# Altium PCB H-00491.PcbDoc (part 1 of 2)
Units mm, origin at the board's own origin, x right, y up, seen from the top; angles counter-clockwise.
Board outline 159.99 x 100 mm, 2 copper layers (Top Layer, Bottom Layer), stack 1.536 mm thick; 33 components, 33 nets, 2018 pads, 77 vias.
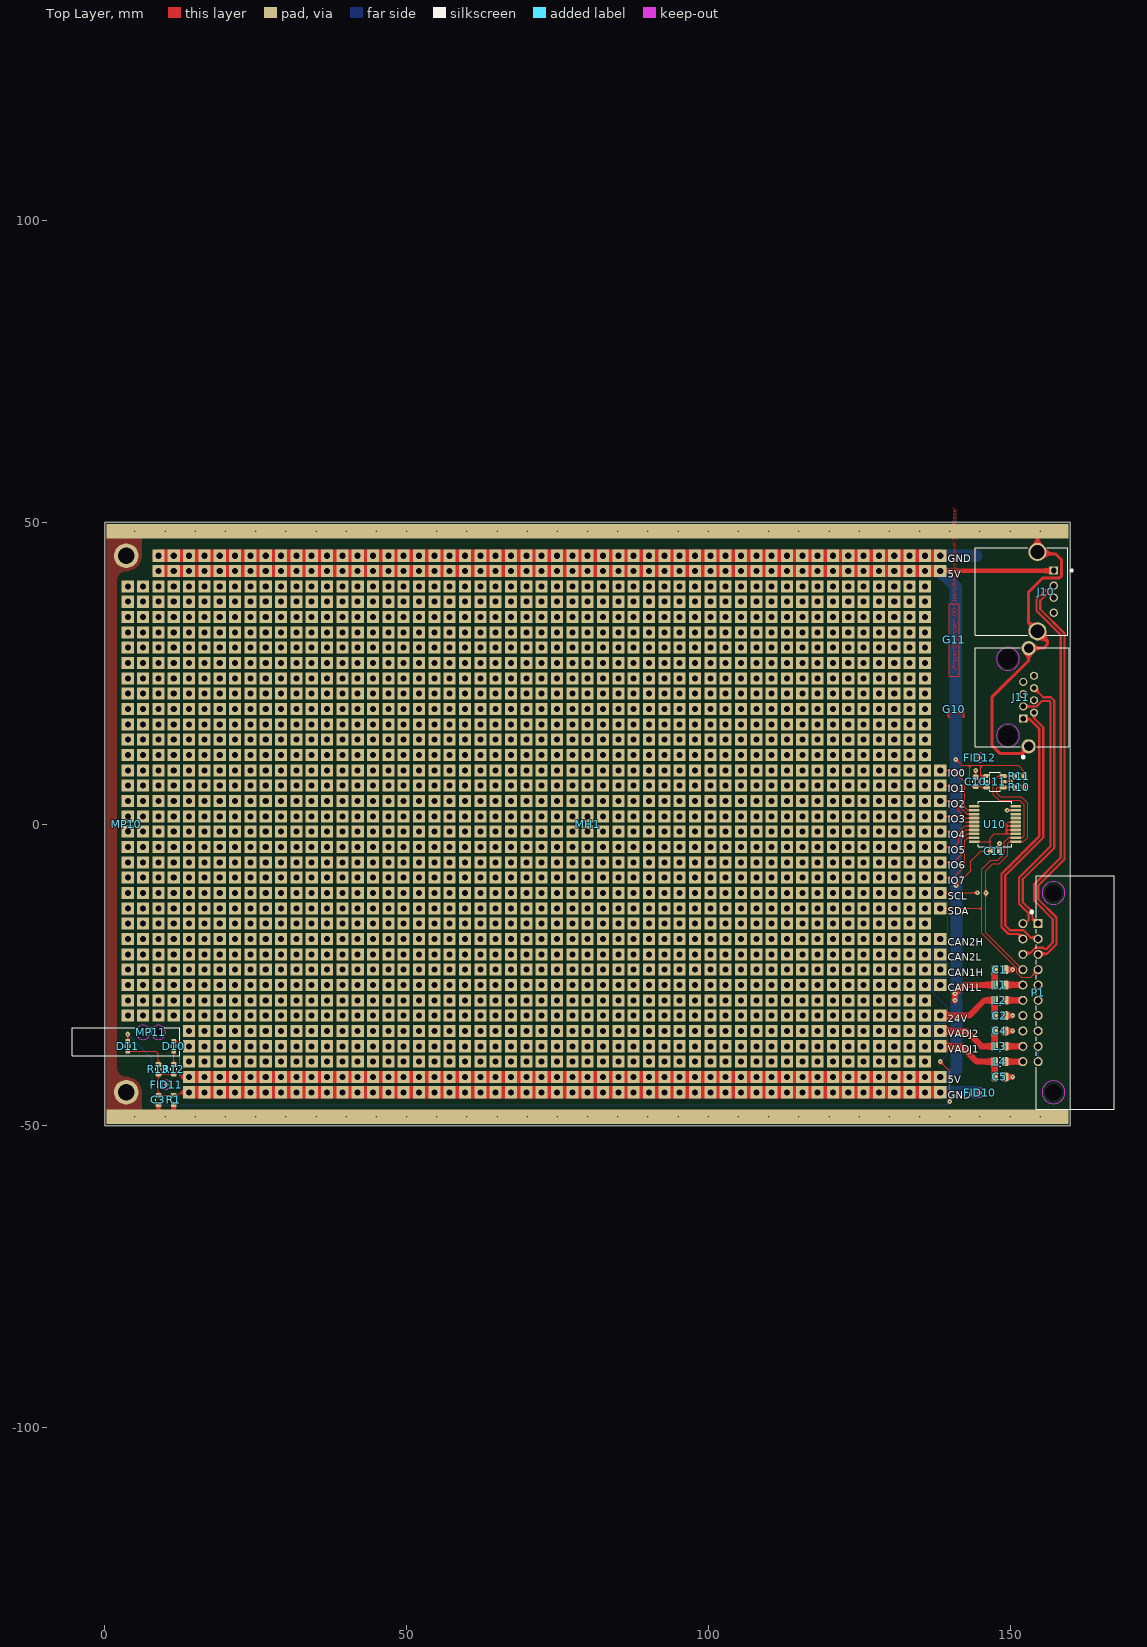
[diagram p0: Top Layer view]
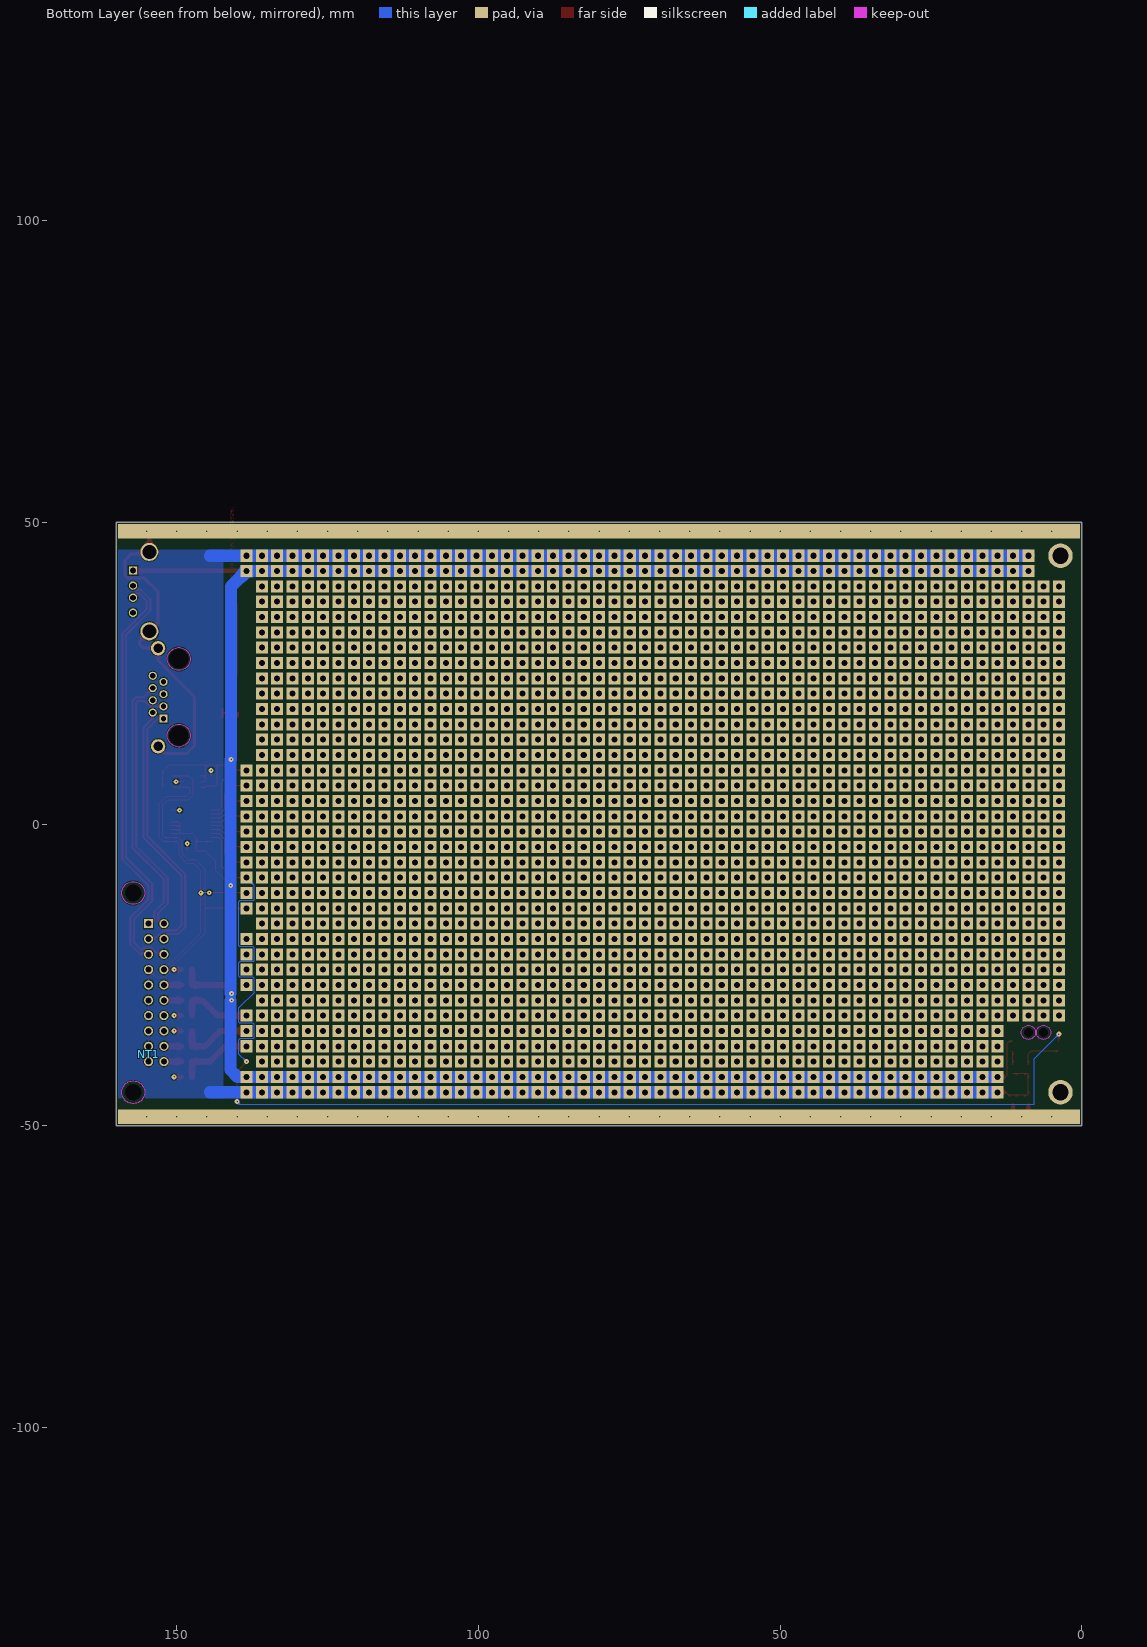
[diagram p1: Bottom Layer view, seen from below]
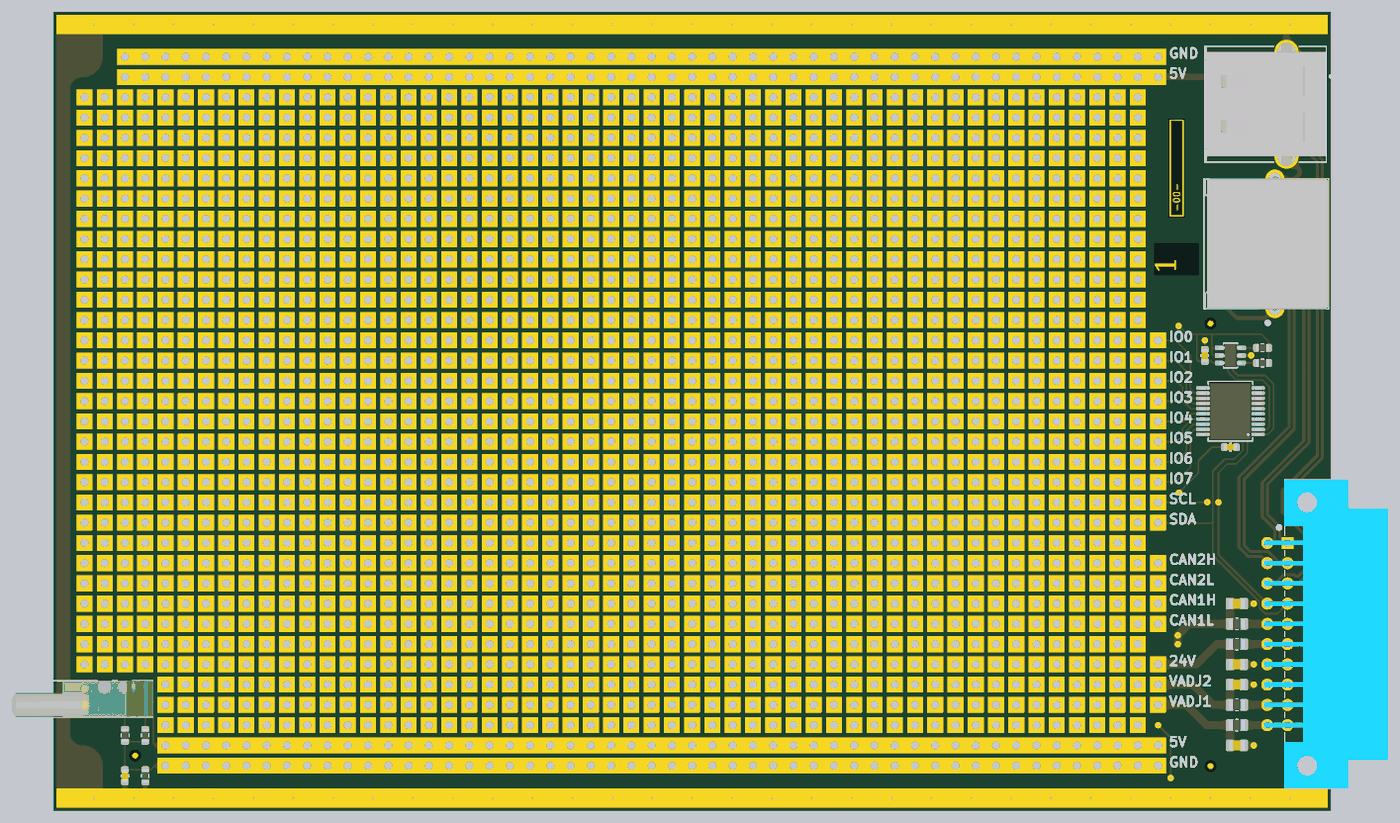
[diagram p3: 3D render of the assembled board from above, using the file's embedded part models]

## Layer stack, top to bottom
Top Solder: solder mask 0.01, Solder Resist, Dk 3.5
Top Layer: signal copper 0.018
Dielectric 3: core 1.5, FR-4, Dk 4.2
Bottom Layer: signal copper 0.018
Bottom Solder: solder mask 0.01, Solder Resist, Dk 3.5

## Board outline
0.005,-50 160,-50 160,50 0.005,50

## Design rules (kind name [scope] priority, off if disabled: settings)
BoardOutlineClearance [Not OnSilkscreen] p1: gap=0.25 ignorepadtopadclearanceinfootprint=FALSE except(0: Arc-SplitContinuation Track-SplitContinuation SMDPad-SplitContinuation THPad-SplitContinuation Via-SplitContinuation Fill-SplitContinuation Poly-SplitContinuation Region-SplitContinuation Text-SplitContinuation)
Clearance Clearance-xPP-xTP-xTT [All] p1: gap=0.15 ignorepadtopadclearanceinfootprint=FALSE except(0: Arc-Hole Track-Hole SMDPad-Hole THPad-Hole Via-Hole Fill-Hole Poly-Hole Region-Hole Text-Hole)
ComponentClearance [Not (HasFootprint('TITLEBLOCK*') OR HasFootprint('EUROCARD*') OR HasFootprint('DIALIGHT-515*')) vs Not (HasFootprint('TITLEBLOCK*') OR HasFootprint('EUROCARD*') OR HasFootprint('DIALIGHT-515*'))] p1: gap=0.25 collisioncheckmode=3 verticalgap=0.25 showdistances=FALSE
DiffPairsRouting [All] p1: maxlimit=0.25 minlimit=0.25 mostfreqgap=0.25 toplayer_minwidth=0.381 toplayer_maxwidth=0.381 toplayer_prefwidth=0.381 bottomlayer_minwidth=0.381 bottomlayer_maxwidth=0.381 bottomlayer_prefwidth=0.381 maxuncoupledlength=12.5
Height [All] p1: minheight=0 maxheight=25 prefheight=12.5
HoleSize HoleSize-PTH [All] p1: absolutevalues=TRUE maxlimit=4 minlimit=0.25 maxpercent=80.000 minpercent=20.000
HoleToHoleClearance HoleToHoleClearance_NPTH [Not PadIsPlated vs Not PadIsPlated] p1: gap=0.2 allowstackedmicrovias=TRUE
HoleToHoleClearance [All] p2: gap=0.35 allowstackedmicrovias=TRUE
MinimumAnnularRing "Minimum IAR <=0.45mm" [((ObjectKind = 'Pad') OR (ObjectKind = 'Via')) And (Layer = 'MultiLayer') And (HoleDiameter <= AsMM(0.45))] p1: minimumring=0.174 // minimum inner annular ring for pads <= 0.45mm finished hole size
MinimumSolderMaskSliver [All] p1: minsoldermaskwidth=0.08
PlaneClearance PlaneClearance-IPI [All] p1: clearance=0.25
PlaneConnect [All] p1: planeconnectstyle=Relief reliefexpansion=0.175 reliefentries=4 reliefconductorwidth=0.2 reliefairgap=0.2
PolygonConnect [InNet('GNDC')] p1: connectstyle=Direct reliefconductorwidth=0.254 reliefentries=4 polygonreliefangle="90 Angle" airgapwidth=0.254
PolygonConnect PolygonConnect-xTW [All] p2: connectstyle=Relief reliefconductorwidth=0.2 reliefentries=4 polygonreliefangle="90 Angle" airgapwidth=0.2
RoutingCorners [All] p1: cornerstyle=45-Degree minsetback=2.5 maxsetback=2.5
RoutingVias "RoutingVias > 0.45mm" [(ObjectKind = 'Via') And (HoleDiameter > AsMM(0.45))] p1: holewidth=0.5 width=0.85 viastyle="Through Hole" minholewidth=0.5 minwidth=0.85 maxholewidth=0.9 maxwidth=1.25 // finishet hole size > 0.45mm
RoutingVias "RoutingVias <= 0.45mm" [(ObjectKind = 'Via') And (HoleDiameter <= AsMM(0.45))] p2: holewidth=0.3 width=0.65 viastyle="Through Hole" minholewidth=0.25 minwidth=0.6 maxholewidth=0.45 maxwidth=0.8 // finishet hole size <= 0.45mm
SilkToSilkClearance [All] p1: silktosilkclearance=0.2
SilkToSolderMaskClearance SilkscreenOverComponentPads [IsPad] p1 off: minsilkscreentomaskgap=0.2 clearancetoexposedcopper=TRUE
SolderMaskExpansion [All] p1: expansion=0 istentingtop=FALSE
UnRoutedNet [All] p1: checkbadconnections=TRUE
Width Width-xTW [All] p1: maxlimit=2 minlimit=0.15 preferedwidth=0.2
18 further rules are at their usual default settings.

## Classes and differential pairs
differential pair class DIFF_USB: CANA CANB USB_D
differential pair class DIFF_LAN: LAN_RX LAN_TX
component class CONNECTOR: C1 C2 C3 C4 C5 L1 L2 L3 L4 MH1 NT1 P1 R1
component class "H-00491 - Top": C10 C11 D10 D11 FID10 FID11 FID12 G10 G11 J10 J11 MP10 MP11 PCB10 R10 R11 R12 R13 U10 U11
differential pair CANB: +CANB_P -CANB_N
differential pair CANA: +CANA_P -CANA_N
differential pair USB_D: +USB_D_P -USB_D_N
differential pair LAN_TX: +LAN_TX_P -LAN_TX_N
differential pair LAN_RX: +LAN_RX_P -LAN_RX_N

## Components (designator, comment, footprint, x,y, rotation, side; value= is the part's Value field where it differs from the comment)
C1 "C0805C474K5RACTU" CAPC200X125X110L50N 148.31,-24.13 r180 top value=470nF
C2 "C0805C474K5RACTU" CAPC200X125X110L50N 148.31,-31.75 r180 top value=470nF
C3 "C0603W102KDRACAUTO" CAPC160X80X87L35N 8.89,-45.72 r90 top value=1nF
C4 "C0805C474K5RACTU" CAPC200X125X110L50N 148.31,-34.29 r180 top value=470nF
C5 "C0805C474K5RACTU" CAPC200X125X110L50N 148.31,-41.91 r180 top value=470nF
C10 "C0603C104K5RACTU" CAPC160X80X87L35N 144.3,7 r90 top value=100nF
C11 "C0603C104K5RACTU" CAPC160X80X87L35N 147.5,-4.5 r0 top value=100nF
D10 "SML-E12M8W" LEDC170X80X80L20_YELLOW 11.43,-36.83 r90 top
D11 "SML-E12M8W" LEDC170X80X80L20_YELLOW 3.812,-36.822 r90 top
FID10 "FIDUCIAL" FIDUCIAL_075X150 145,-44.5 r90 top
FID11 "FIDUCIAL" FIDUCIAL_075X150 10.16,-43.18 r90 top
FID12 "FIDUCIAL" FIDUCIAL_075X150 145,11 r90 top
G10 "LOGO-HIBER" HIBER_LOGO_COPPER_55x40 140.75,19.05 r90 top
G11 "HIBER-PARTNUMBER" HIBER_PNSN_COPPER 140.75,30.5 r90 top
J10 "67643-3910" MOLEX_676433910 151.25,38.5 r270 top
J11 "RJHSE5E80" AMPHENOLICC_RJHSE5E80 152,21 r90 top
L1 "BLM21SP700SH1D" BEADC200X125X105L50N 148.31,-26.67 r0 top
L2 "BLM21SP700SH1D" BEADC200X125X105L50N 148.31,-29.21 r0 top
L3 "BLM21SP700SH1D" BEADC200X125X105L50N 148.31,-36.83 r0 top
L4 "BLM21SP700SH1D" BEADC200X125X105L50N 148.31,-39.37 r0 top
MH1 "EUROCARD_160X100" EUROCARD_100X160 0,0 r0 top locked
MP10 "20817-443" SCHROFF_20817443 -5.89,0 r0 top locked
MP11 "5151094F" DIALIGHT_5151094F 3.81,-36.07 r0 top
NT1 "NET-TIE" NT200 154.66,-38.147 r270 bottom net-tie
P1 "09241206921" HARTING_09241206921 160.8,-27.94 r270 top locked
PCB10 "TITLE-BLOCK" TITLEBLOCK-A4 -30,-125 r0 top locked
R1 "TNPW060310K0BEEA" RESC160X85X55L30N 11.43,-45.72 r270 top value=10k
R10 "CRCW06034K70FKEA" RESC160X85X55L30N 151.531,6.05 r180 top value=4,7k
R11 "CRCW06034K70FKEA" RESC160X85X55L30N 151.531,7.95 r180 top value=4,7k
R12 "CRCW06034K70FKEA" RESC160X85X55L30N 11.43,-40.64 r270 top value=4,7k
R13 "CRCW06034K70FKEA" RESC160X85X55L30N 8.89,-40.64 r270 top value=4,7k
U10 "MCP23008-E/SS" SOP20P65_720X780X200L75X30N 147.5,0 r90 top locked
U11 "24AA025E64T-I/OT" SOT23-6P95_270X145L35X35 147.5,7 r90 top

## Footprints (in the part's own frame and the unit in brackets; to place one, negate y for a bottom-side part, rotate by r counter-clockwise, add the part's x,y. Pads: shape width x height; smd on the part's side, far side on the other; paste and mask are expansions set on the pad)
AMPHENOLICC_RJHSE5E80 [mm] "Connector, RJ45 Right Angle; 10 pin, 16.41 mm L X 15.615 mm W X 13.841 mm H body (Amphenol ICC - RJHSE5E80)"
  rect 1.34x1.34 / inner round 1.34 / far side rect 1.34x1.34 hole 0.89 paste-1.34: 1(-3.55,-0.185)
  round 1.34 hole 0.89 paste-1.34: 2(-2.53,-1.965) 3(-1.52,-0.185) 4(-0.5,-1.965) 5(0.51,-0.185) 6(1.53,-1.965) 7(2.54,-0.185) 8(3.56,-1.965)
  round 2.36 hole 1.57 paste-2.36: M1(-8.13,-1.075) M2(8.13,-1.075)
  round 1 hole 3.25 unplated paste-1 mask+1.125: M3(-6.35,2.355) M4(6.35,2.355)
  Keep-Out Layer circle w0.025: c6.35,2.355 r1.9
  Keep-Out Layer circle w0.025: c-6.35,2.355 r1.9
  silkscreen extent -10.12,-7.81 8.21,7.81, body extent -8.41,-7.94 8.42,7.81, height 13.47
BEADC200X125X105L50N [mm] "Ferrite Bead, Chip; 2.00 mm L X 1.25 mm W X 1.05 mm H body"
  rrect46% 1.09x1.47 smd: 1(-0.865,0) 2(0.865,0)
  silkscreen extent -0.14,-0.73 0.14,0.73, body extent -1,-0.63 1,0.63, height 1.05
CAPC160X80X87L35N [mm] "Capacitor, Chip; 1.60 mm L X 0.80 mm W X 0.87 mm H body (Kemet - Inch 0603, Metric 1608, CF)"
  rrect51% 0.87x0.97 smd: 1(-0.75,0) 2(0.75,0)
  silkscreen extent -0.14,-0.48 0.14,0.48, body extent -0.8,-0.4 0.8,0.4, height 0.87
CAPC200X125X110L50N [mm] "Capacitor, Chip; 2.00 mm L X 1.25 mm W X 1.10 mm H body (Kemet - Inch 0805, Metric 2012, DE)"
  rrect45% 1.11x1.47 smd: 1(-0.85,0) 2(0.85,0)
  body extent -1,-0.63 1,0.63, height 1.1
DIALIGHT_5151094F [mm] "Module; 0 pin, 17.78 mm L X 4.57 mm W X 9.14 mm H body (Dialight - )"
  round 0.75 hole 1.5 unplated paste-0.75 mask+0.375: 1(2.54,1.53) 2(5.08,1.53)
  Keep-Out Layer circle w0.025: c5.08,1.53 r1.175
  Keep-Out Layer circle w0.025: c2.54,1.53 r1.175
  silkscreen extent -9.2,-2.29 8.58,2.29, body extent -9.14,-2.29 8.64,2.29, height 9.16
EUROCARD_100X160 [mm]
  rect 159.4x2.4 / inner rect 159x2 / far side rect 159.4x2.4 hole 0.25: 1(80,48.5) 2(80,-48.5)
FIDUCIAL_075X150 [mm] "Fiducial, Global; 0.75mm x 1.50mm ( - )"
  round 0.75 smd paste-0.75 mask+0.375: 1(0,0)
  Top Layer keep-out circle w0.025: c0,0 r0.75
HARTING_09241206921 [mm] "Connector, Right Angle Plug; 20 pin, 38.70 mm L X 13.00 mm W X 8.65 mm H body (Harting - 9021646921)"
  rect 1.5x1.5 / inner round 1.5 / far side rect 1.5x1.5 hole 1 paste-1.5: A1(-11.43,-6.14)
  round 1.5 hole 1 paste-1.5: A2(-8.89,-6.14) A3(-6.35,-6.14) A4(-3.81,-6.14) A5(-1.27,-6.14) A6(1.27,-6.14) A7(3.81,-6.14) A8(6.35,-6.14) A9(8.89,-6.14) A10(11.43,-6.14) B1(-11.43,-8.68) B2(-8.89,-8.68) B3(-6.35,-8.68) B4(-3.81,-8.68) B5(-1.27,-8.68) B6(1.27,-8.68) B7(3.81,-8.68) B8(6.35,-8.68) B9(8.89,-8.68) B10(11.43,-8.68)
  round 1 hole 2.8 unplated paste-1 mask+0.9: M1(-16.51,-3.6) M2(16.51,-3.6)
  Keep-Out Layer circle w0.025: c-16.51,-3.6 r1.89
  Keep-Out Layer circle w0.025: c16.51,-3.6 r1.89
  silkscreen extent -19.35,-7.4 19.35,6.5, body extent -19.35,-9.06 19.35,6.42, height 6.86
HIBER_LOGO_COPPER_55x40 [mm] "Hiber Logo, Inverted, Copper, 5.5 x 4.0 mm"
  Top Layer pour cut-out: -2.159,2.921 2.159,2.921 2.159,-2.921 -2.159,-2.921
HIBER_PNSN_COPPER [mm] "Hiber PNSN, Copper Layer"
  Top Layer pour cut-out: -5.9,0.7 5.9,0.7 5.9,-0.7 -5.9,-0.7
  Top Layer lines w0.15: -6,0.8 -6,-0.8 6,-0.8 6,0.8 -6,0.8
LEDC170X80X80L20_YELLOW [mm] "LED, Chip; 1.70 mm L X 0.80 mm W X 0.80 mm H body"
  rrect50% 0.8x0.8 smd: A(0.825,0) C(-0.825,0)
  silkscreen extent -0.25,-0.43 0.25,0.43, body extent -0.8,-0.4 0.8,0.4, height 0.6
MOLEX_676433910 [mm] "Connector, USB Receptacle Right Angle; 4 pin, 14.50 mm L X 14.00 mm W X 8.25 mm H body (Molex - 676433910)"
  rect 1.38x1.38 / inner round 1.38 / far side rect 1.38x1.38 hole 0.92 paste-1.38: 1(-3.5,5.99)
  round 1.38 hole 0.92 paste-1.38: 2(-1,5.99) 3(1,5.99) 4(3.5,5.99)
  round 3 hole 2.3: M1(-6.57,3.28) M2(6.57,3.28)
  silkscreen extent -7.25,-7 7.25,9.13, body extent -8,-7 8,8.26, height 7.74
NT200 [mm]
  round 0.2 smd paste-1 mask+0.102: 1(-0.2,0) 2(0.2,0)
  Top Layer region: -0.2,0.1 0.2,0.1 0.2,-0.1 -0.2,-0.1
RESC160X85X55L30N [mm] "Resistor, Chip; 1.60 mm L X 0.85 mm W X 0.55 mm H body (Panasonic - Inch 0603, Metric 1608)"
  rrect51% 0.82x0.98 smd: 1(-0.775,0) 2(0.775,0)
  silkscreen extent -0.19,-0.48 0.19,0.48, body extent -0.8,-0.43 0.8,0.43, height 0.55
SCHROFF_20817443 [mm] "Module; 2 pin, 26.00 mm L X 128.40 mm W X 20.00 mm H body (SCHROFF - )"
  round 4.05 hole 2.7 paste-4.05: M1(9.45,44.45) M2(9.45,-44.45)
  body extent -13.16,-64.2 13.15,64.2, height 16.17
SOP20P65_720X780X200L75X30N [mm] "Small Outline Pkg (SOP), 0.65 mm pitch; 20 pin, 7.20 mm L X 5.30 mm W X 2.00 mm H body (Microchip - C04-072)"
  rrect52% 0.46x1.7 smd: 1(-2.925,-3.455) 2(-2.275,-3.455) 3(-1.625,-3.455) 4(-0.975,-3.455) 5(-0.325,-3.455) 6(0.325,-3.455) 7(0.975,-3.455) 8(1.625,-3.455) 9(2.275,-3.455) 10(2.925,-3.455) 11(2.925,3.455) 12(2.275,3.455) 13(1.625,3.455) 14(0.975,3.455) 15(0.325,3.455) 16(-0.325,3.455) 17(-0.975,3.455) 18(-1.625,3.455) 19(-2.275,3.455) 20(-2.925,3.455)
  silkscreen extent -3.75,-2.8 3.75,2.8, body extent -3.6,-3.9 3.6,3.9, height 2
SOT23-6P95_270X145L35X35 [mm] "Small Outline Transistor (SOT23), 0.95 mm pitch; 6 pin, 2.90 mm L X 1.55 mm W X 1.45 mm H body (Microchip - SOT23-6)"
  rrect50% 0.6x1.1 smd: 1(-0.95,-1.4) 2(0,-1.4) 3(0.95,-1.4) 4(0.95,1.4) 5(0,1.4) 6(-0.95,1.4)
  silkscreen extent -1.55,-0.9 1.55,0.9, body extent -1.45,-1.35 1.45,1.35, height 1.45
TITLEBLOCK-A4 [mm]

## Part data
C1 C2 C4 C5: library part CMP-00607-1, "CAP Standard 0805 (2012) 470,0nF 50V X7R (Standard)", Case/Package="0805 (2012)", Dielectric=X7R, Rated Voltage=50V, Tolerance=10%, Failure Rate=N/A, Mount="Surface Mount", Pins=2, Qualification=Standard, RoHS=Yes, Termination Finish="100% Matte Sn", Type=Ceramic
C3: library part CMP-00534-3, "CAP Automotive 0603 (1608) 1,0nF 1kV X7R (ArcShield with Flexible Termination)", Case/Package="0603 (1608)", Dielectric=X7R, Rated Voltage=1kV, Tolerance=10%, Failure Rate=N/A, Mount=SMD, Pins=2, Qualification=Automotive, RoHS=Yes, Termination Finish="100% Matte Sn", Type=Ceramic
C10 C11: library part CMP-00418-1, "CAP Standard 0603 (1608) 100,0nF 50V X7R (Standard)", Case/Package="0603 (1608)", Dielectric=X7R, Rated Voltage=50V, Tolerance=10%, Failure Rate=N/A, Mount="Surface Mount", Pins=2, Qualification=Standard, RoHS=Yes, Termination Finish="100% Matte Sn", Type=Ceramic
D10 D11: library part CMP-00429-1, "LED Yellowish green Diffused 0603 SMD", Case Code (Imperial)=0603, Case Code (Metric)=1608, Color="Yellowish green", Forward Current=20mA, Forward Voltage=2,4V, Illumination Colour=Red, Lens Colour=White, Max Operating Temperature=85°C, Min Operating Temperature=-40°C, Package Quantity=1, Case/Package=0603, Chip Structure=AlGaInP, Dominant Wavelength=630nm, Height=0.46mm, Lead Free="Lead Free", Length=1.6mm, Lens Style="Clear, Colorless, Diffused, Rectangular", Lens Transparency=Diffused, Luminous Intensity=25mcd, Mount="Surface Mount", Number of LEDs=1, Number of Pins=2, Packaging="Tape and Reel", Radiation Hardening=No, Test Current=20mA, Typical Wavelength=572nm, Viewing Angle=140°, Wavelength=630nm, Width=0.8mm
FID10 FID11 FID12: library part CMP-00519-1, "Fiducial"
G10: library part CMP-00553-6, "Hiber Logo"
G11: library part CMP-00558-6, "Hiber Fabrication Partnumber"
J10: library part CMP-01203-2, "USB Connector, 4 Contact(s), Female, Right Angle, Solder Terminal, Locking, Receptacle", Contact Resistance=30m, Mount=Board, RoHS=Yes
J11: library part CMP-00838-3, "Modular Connectors / Ethernet Connectors High Speed RJ w/no LEDs or Shield", Color=Black, Current Rating=1.5A, Flammability Rating="UL94 V-0", Insulation Resistance=500MR, Max Operating Temperature=85°C, Min Operating Temperature=-55°C, Package Quantity=120, Voltage Rating=125V, Connector Type=Jack, Contact Material=Bronze, Contact Plating=Gold, Direction=Up, Gender=Female, Housing Material=Thermoplastic, Mount="Through Hole", Number of Contacts=8, Number of Ports=1, Number of Positions=8, Number of Rows=1, Orientation="Right Angle", Packaging=Tray, Pitch=2.03mm, RoHS=Yes, Shielding=Shielded, Termination=Solder
L1 L2 L3 L4: library part CMP-00632-1, "IND, Automotive, Chip Ferrite Bead, Power Lines, 0805, 70R, 6A", Case/Package="0805 (2012)", Maximum DC Resistance=9m, Rated Current=6A, Tolerance=25%, Impedance=70, Qualification=Automotive, Termination Finish=Tin
MH1: library part CMP-01155-4, "Eurocard board outline 100x160mm"
MP10: library part CMP-01152-2, "SCHROFF         20817-443             MODULE, PLUG-IN, 3U, 4HP"
MP11: library part CMP-01206-1, "Optical Pipe", Optoelectronic Device Type="OPTICAL PIPE", REACH SVHC=Yes, RoHS Compliant=Yes
NT1: library part CMP-00523-9, "Net Tie, Inline"
P1: library part CMP-01160-3, "Headers and Edge Type Connector", Connector Type="BOARD EURO CONNECTOR", Manufacturer Series=09241206921, Mount=TH, RoHS=Yes
PCB10: library part CMP-00011-3, "Title Block and PCB BOM Line Item"
R1: library part CMP-00643-1, "RES High Stability Thin Film 0603 10K0 ±0.1% 0,1W", Case/Package="0603 (1608)", Rated Power=100mW, Rated Voltage=75V, Tolerance=0.1%, Failure Rate=N/A, Mount="Surface Mount", Pins=2, Qualification=Automotive, RoHS=Yes, Termination Finish="Pure tin termination finish", Type="High Stability Thin Film"
R10 R11 R12 R13: library part CMP-00113-4, "RES Standard Thick Film 0603 4K70 ±1% 0,1W", Case/Package="0603 (1608)", Rated Power=100mW, Rated Voltage=75V, Tolerance=1%, Failure Rate=N/A, Mount="Surface Mount", Pins=2, Qualification=Automotive, RoHS=Yes, Termination Finish="Pure tin solder contacts on Ni barrier layer", Type="Standard Thick Film"
U10: library part CMP-01204-1, "Parallel I/O Port, 8-Bit, 8 I/O, CMOS, PDSO20"
U11: library part CMP-01106-2, "EEPROM, 256X8, Serial, CMOS, PDSO5", Peak Reflow Temperature (Cel)=260°C, Time @ Peak Reflow Temperature-Max (s)=40s, JESD-609 Code=e3, Memory Type=EEPROM, Moisture Sensitivity Level=1, Serial Bus Type=I2C, Terminal Finish=Tin
